# KiCad board tida_010057_imported.kicad_pcb (continued)
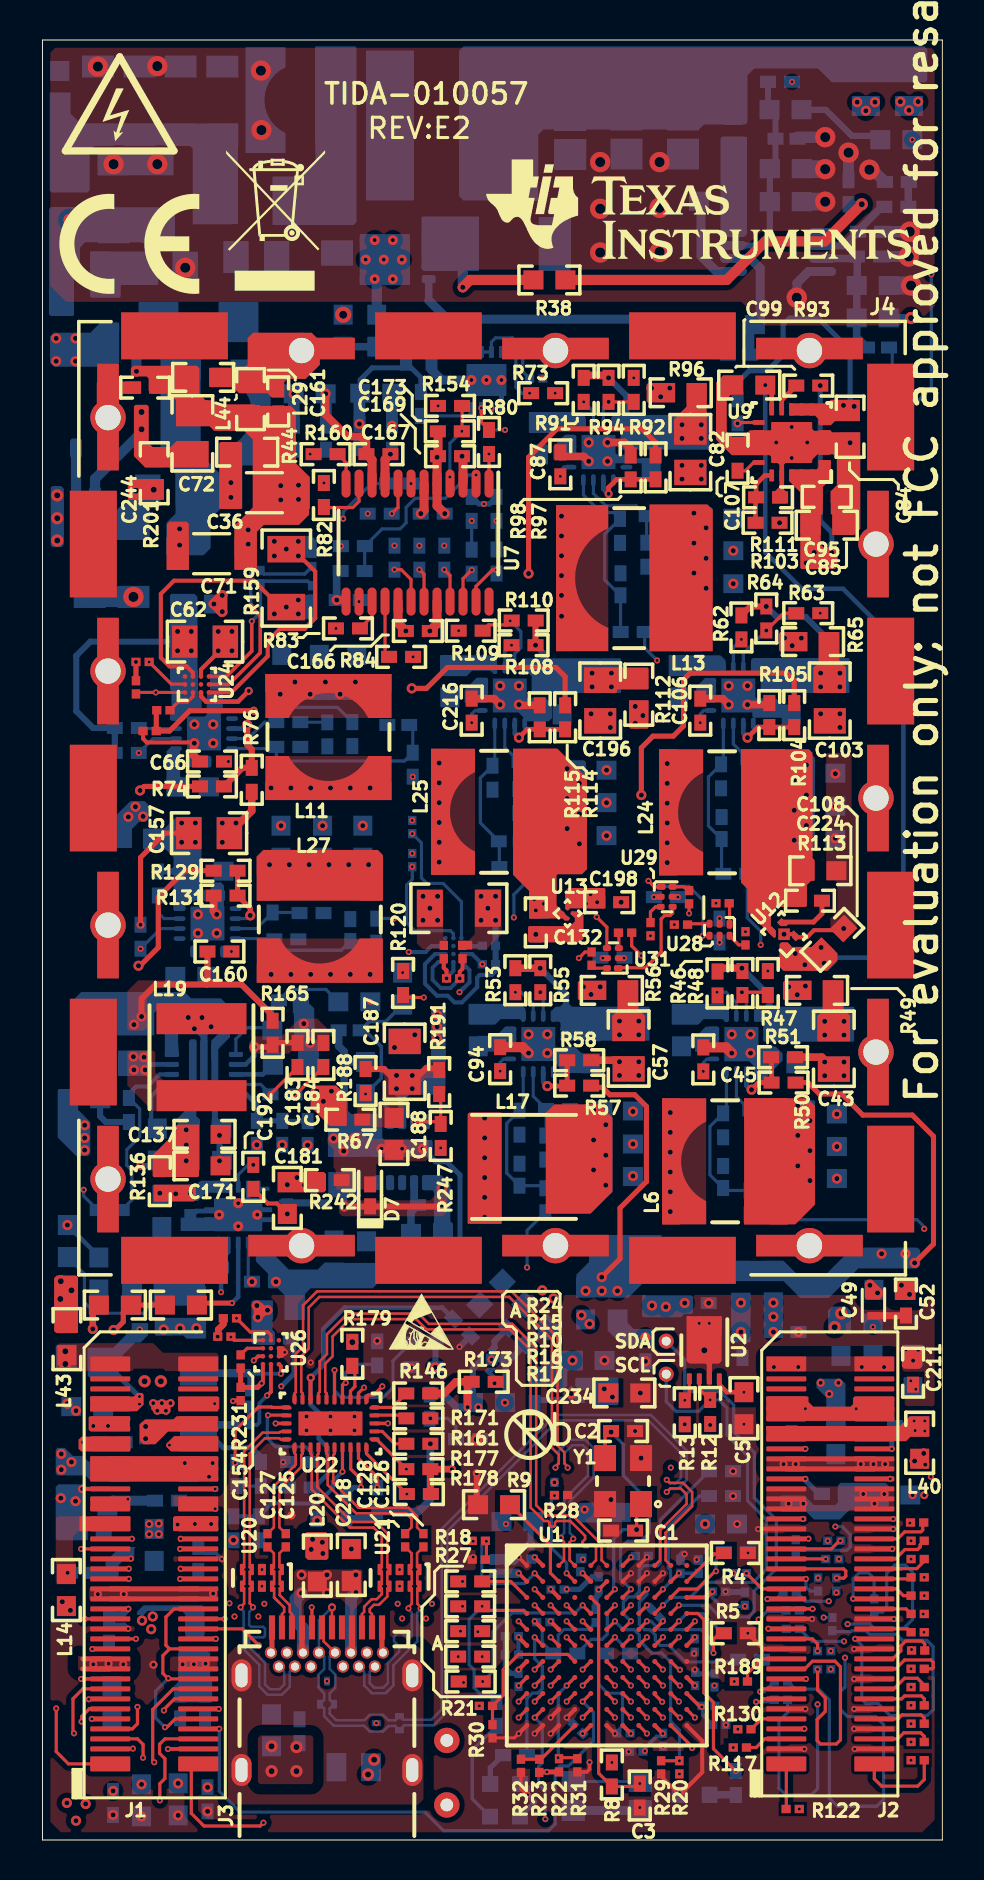
[diagram p0: board, top side]
## Placement (name value [footprint] x y rotation side) (continued)
R82  CRCW040218R0JNED  [0402]  14.07 67.25 270 top
R83  CRCW040218R0JNED  [0402]  15.28 60.58 0 top
R84  CRCW040218R0JNED  [0402]  17.93 59.16 180 top
R85  CRCW040218R0JNED  [0402]  16.87 66.32 0 bottom
R86  CRCW040218R0JNED  [0402]  17.83 67.82 0 bottom
R87  CRCW040218R0JNED  [0402]  17.6 64.12 270 bottom
R88  CRCW040218R0JNED  [0402]  18.85 64.12 270 bottom
R89  CRCW040218R0JNED  [0402]  20.09 64.12 270 bottom
R90  ERJ-2RKF2003X  [0402]  16.74 17.03 270 bottom
R91  CRCW0402100KJNED  [0402]  27.06 72.51 270 top
R92  ERJ-2GE0R00X  [0402]  29.57 72.51 270 top
R93  CRCW040244K2FKED  [0402]  38.29 72.72 0 top
R94  ERJ-2GE0R00X  [0402]  28.31 72.51 270 top
R95  ERJ-1GE0R00C  [0201]  29.13 45.36 180 top
R96  RMCF0603ZT0R00  [0603]  31.92 72.36 180 top
R97  ERJ-2RKF4991X  [0402]  30.66 68.63 90 top
R98  RK73H1ETTP1002F  [0402]  29.41 68.63 270 top
R99  ERJ-2GE0R00X  [0402]  34.76 71.43 90 bottom
R100  CRCW0402383KFKED  [0402]  28.88 65.46 270 bottom
R101  CRCW0402130RJNED  [0402]  30.81 66.19 180 bottom
R102  ERJ-1GE0R00C  [0201]  27.46 44.07 270 top
R103  RC0402FR-073K57L  [0402]  36.26 65.86 0 top
R104  ERJ-2RKF4991X  [0402]  37.59 56.25 90 top
R105  RK73H1ETTP1002F  [0402]  36.35 56.25 270 top
R106  CRCW0402383KFKED  [0402]  33.93 53.19 270 bottom
R107  CRCW0402130RJNED  [0402]  35.89 54.05 180 bottom
R108  CRCW0402100KJNED  [0402]  24.05 59.74 180 top
R109  ERJ-2GE0R00X  [0402]  21.41 60.47 0 top
R110  ERJ-2GE0R00X  [0402]  24.06 60.97 180 top
R111  CRCW04022K87FKED  [0402]  36.28 67.13 180 top
R112  RMCF0603ZT0R00  [0603]  29.82 57.26 270 top
R113  ERJ-2GE0R00X  [0402]  38.38 46.96 180 top
R114  ERA-2AEB752X  [0402]  26.14 56.13 90 top
R115  RK73H1ETTP1002F  [0402]  24.87 56.13 270 top
R116  CRCW0402383KFKED  [0402]  22.5 53.11 270 bottom
R117  RC0201JR-0722RL  [0201]  34.87 4.62 0 top
R118  CRCW0402150RJNED  [0402]  24.45 53.9 180 bottom
R119  CRCW0402383KFKED  [0402]  12.29 54.65 0 bottom
R120  ERJ-2GE0R00X  [0402]  18.03 42.85 270 top
R121  CRCW0402130RJNED  [0402]  12.29 55.89 180 bottom
R122  RC0201JR-0722RL  [0201]  37.52 1.55 180 top
R123  CRCW040222R0JNED  [0402]  42.49 72.59 90 bottom
R124  CRCW0402100KJNED  [0402]  4.9 45.16 270 bottom
R125  RC0201JR-0722RL  [0201]  43.79 9.47 0 top
R126  -  [5106]  15.54 3.64 0 bottom
R127  ERJ-2GE0R00X  [0402]  5.77 47.83 270 bottom
R128  RMCF0603ZT0R00  [0603]  4.72 50.09 180 bottom
R129  ERJ-2RKF4991X  [0402]  9.15 48.46 180 top
R130  RC0201JR-0722RL  [0201]  35.1 5.54 0 top
R131  RK73H1ETTP1002F  [0402]  9.15 47.22 0 top
R132  CRCW0402383KFKED  [0402]  12.19 45.03 0 bottom
R133  CRCW0402130RJNED  [0402]  11.51 46.98 270 bottom
R134  RMCF0603ZT0R00  [0603]  2.08 37.06 180 bottom
R135  ERJ-2GE0R00X  [0402]  4.32 36.5 270 bottom
R136  ERJ-2GE0R00X  [0402]  5.87 32.94 270 top
R137  RT0603BRD0710KL  [0603]  2.82 28.32 270 bottom
R138  CRCW0402301KFKED  [0402]  13.26 35.34 270 bottom
R139  RT0603DRE07344KL  [0603]  12.29 40.49 0 bottom
R140  CRCW060332K4FKEA  [0603]  1.24 29.95 270 bottom
R141  CPF0603B620KE  [CPF0603]  12.42 38.81 180 bottom
R142  ERA-2AEB8662X  [0402]  10.72 35.36 90 bottom
R144  CRCW02014K70FKED  [0201_033]  13.49 62.38 270 bottom
R145  CRCW02014K70FKED  [0201_033]  13.49 64.01 90 bottom
R146  ERJ-2GE0R00X  [0402]  18.79 22.33 0 top
R147  ERJ-2GE0R00X  [0402]  10.92 18.3 90 bottom
R148  ERJ-2RKF2003X  [0402]  12.87 17.63 180 bottom
R149  RC0201JR-0722RL  [0201]  39.09 8.53 180 bottom
R150  RC0201JR-0722RL  [0201]  36.93 7.92 180 bottom
R151  CRCW02014K70FKED  [0201_033]  21.01 44.4 90 top
R152  CSR1206FK20L0  [1206]  20.82 46.59 180 top
R153  ERJ-2RKF2003X  [0402]  15.49 24.31 90 bottom
R154  ERJ-2GE0R00X  [0402]  20.38 71.7 0 top
R155  RC0201JR-0722RL  [0201]  36.93 7.01 180 bottom
R156  RC0201JR-0722RL  [0201]  39.09 9.45 180 bottom
R157  ERJ-2GE0R00X  [0402]  21.46 63.92 270 bottom
R158  ERJ-2GE0R00X  [0402]  22.71 63.93 270 bottom
R159  CSR1206FK20L0  [1206]  12.19 63.1 90 top
R160  CRCW040218R0JNED  [0402]  14.16 69.29 0 top
R161  ERJ-2RKF2003X  [0402]  18.8 19.81 180 top
R162  ERJ-2RKF1002X  [0402]  21.28 20.04 0 bottom
R163  RT0603BRD0710KL  [0603]  6.92 26.75 180 top
R164  CRCW04025K11FKED  [0402]  12 37.29 180 bottom
R165  ERJ-2GE0R00X  [0402]  11.51 40.36 270 top
R166  CSR1206FK20L0  [1206]  7.8 21.92 90 bottom
R167  ERJ-1GE0R00C  [0201]  34.01 46.84 0 top
R168  CRCW0402909KFKED  [0402]  19.05 24.88 0 bottom
R169  RC0201JR-0722RL  [0201]  43.76 4.9 0 top
R170  ERJ-2RKF4701X  [0402]  12.88 18.9 0 bottom
R171  ERJ-2GE0R00X  [0402]  18.8 21.08 180 top
R172  ERJ-1GE0R00C  [0201]  31.93 45.77 0 top
R173  ERJ-2GE0R00X  [0402]  22.06 22.91 180 top
R174  ERJ-2RKF2003X  [0402]  9.7 18.3 90 bottom
R175  ERJ-1GE0R00C  [0201]  35.15 45.09 270 top
R176  ERJ-2RKF4701X  [0402]  16.74 24.33 90 bottom
R177  ERJ-2RKF4701X  [0402]  18.8 18.54 180 top
R178  ERJ-2RKF4701X  [0402]  18.82 17.3 180 top
R179  CRCW040210K0FKED  [0402]  15.49 24.31 270 top
R180  ERJ-2GE0R00X  [0402]  9.55 15.59 270 bottom
R181  ERJ-2GE0R00X  [0402]  19.84 38.71 270 bottom
R182  ERJ-2RKF4701X  [0402]  10.82 15.59 270 bottom
R183  CRCW02014K70FKED  [0201_033]  20.07 44.4 90 top
R184  ERJ-1GN0R00C  [0201]  22.33 44.7 0 bottom
R185  RC0201FS-7D10KL  [0201]  4.67 57.63 90 top
R186  RC0201FS-7D10KL  [0201]  5 58.9 180 top
R187  ERJ-1GE0R00C  [0201]  30.4 45.54 90 top
R188  ERJ-2GE0R00X  [0402]  16.15 37.95 90 top
R189  RC0201JR-0722RL  [0201]  34.93 7.92 0 top
R190  RG1608P-1023-B-T5  [0603]  19.23 30.33 0 bottom
R191  ERJ-2GE0R00X  [0402]  19.84 37.9 270 top
R192  RC0201JR-0722RL  [0201]  43.76 3.99 0 top
R193  RC0201JR-0722RL  [0201]  43.76 6.73 0 top
R194  RC0201JR-0722RL  [0201]  43.76 5.82 0 top
R195  CRCW060342K2FKEA  [0603]  3.62 26.75 0 top
R196  RC0201JR-0722RL  [0201]  43.76 7.65 0 top
R197  RC0201JR-0722RL  [0201]  43.76 8.56 0 top
R198  RC0201JR-0722RL  [0201]  37.53 10.56 180 bottom
R199  RC0201JR-0722RL  [0201]  43.74 15.88 0 top
R200  RT0603BRD0710KL  [0603]  2.11 78.94 0 bottom
R201  RT0603BRD0710KL  [0603]  5.59 68.34 90 top
R216  RC0201JR-0722RL  [0201]  43.76 12.22 180 top
R217  RC0201JR-0722RL  [0201]  41.6 11.73 90 bottom
R218  RC0201JR-0722RL  [0201]  43.76 13.13 180 top
R219  RC0201JR-0722RL  [0201]  43.76 14.05 0 top
R220  RC0201JR-0722RL  [0201]  34.87 13.34 0 bottom
R221  RC0201JR-0722RL  [0201]  43.76 14.96 0 top
R222  RC0201JR-0722RL  [0201]  39.5 14.05 180 bottom
R223  RC0201JR-0722RL  [0201]  38.79 12.78 270 bottom
R224  RC0201JR-0722RL  [0201]  37.36 12.4 180 bottom
R225  RC0201JR-0722RL  [0201]  39.6 14.96 0 bottom
R226  RC0201JR-0722RL  [0201]  39.7 12.78 90 bottom
R227  RC0201JR-0722RL  [0201]  43.76 11.3 180 top
R228  RC0201JR-0722RL  [0201]  37.52 11.48 0 bottom
R229  CRCW02014K70FKED  [0201_033]  9.98 20.75 180 bottom
R230  CRCW02014K70FKED  [0201_033]  9.88 23.34 180 bottom
R231  ERJ-1GN0R00C  [0201]  9.91 23.93 270 top
R232  RC0201FS-7D10KL  [0201]  18.49 49 90 bottom
R233  RC0201FS-7D10KL  [0201]  18.49 50.65 90 bottom
R234  ERJ-1GE0R00C  [0201]  32.33 47.14 90 top
R235  ERJ-1GN0R00C  [0201]  6.05 56.49 180 top
R236  RC0201FS-7D10KL  [0201]  9.37 26.09 180 top
R237  RC0201FS-7D10KL  [0201]  9.09 25.17 180 top
R238  ERJ-2RKF2003X  [0402]  15.2 16.66 90 bottom
R239  ERA-3AEB2552V  [0603]  19.24 28.75 180 bottom
R240  RC0201JR-0722RL  [0201]  37.67 14.68 90 bottom
R241  ERJ-3EKF1001V  [0603]  16.15 38.1 270 bottom
R242  ERJ-2GE0R00X  [0402]  14.37 32.99 180 top
R243  RC0201JR-0722RL  [0201]  39.5 10.8 270 bottom
R244  RC0201JR-0722RL  [0201]  43.76 10.39 180 top
R245  ERJ-2GE0R00X  [0402]  36.88 87.91 180 bottom
R246  ERJ-2GE0R00X  [0402]  3.36 31.5 180 bottom
R247  ERJ-2GE0R00X  [0402]  19.91 35.2 270 top
S1  434153017835  [SW_434153017835]  28.22 2.2 0 bottom
SCL  TESTPOINT  [TP_H045P075]  31.19 23.29 90 top
SDA  TESTPOINT  [TP_H045P075]  31.19 24.94 90 top
U1  CYUSB3014-BZXC  [BZ-121]  28.22 9.73 0 top
U2  AT24C512C-MAHM  [8MA2]  33.1 24.49 270 top
U3  LM3488MMX/NOPB  [DGK0008A_N]  36.78 79.4 180 bottom
U4  TPS54218RTER  [RTE0016F]  34.95 39.8 180 bottom
U5  TPS54218RTER  [RTE0016F]  24.79 39.8 180 bottom
U6  TPS54218RTER  [RTE0016F]  8.08 55.32 270 bottom
U7  CDCE949PWR  [PW0024A_N]  18.75 64.87 270 top
U8  TPS61178RNWR  [RNW0013A]  8.07 38.28 180 bottom
U9  TPS74201RGRT  [RGR0020A]  37.47 69.88 180 top
U10  TPS54218RTER  [RTE0016F]  27.8 69.39 180 bottom
U11  TPS54218RTER  [RTE0016F]  34.8 57.23 180 bottom
U12  LP5907SNX-3.3/NOPB  [DQN0004A]  37.08 45.29 135 top
U13  LP5910-1.2YKAR  [YKA0004ACAC]  26.26 46.33 45 top
U14  TPS54218RTER  [RTE0016F]  23.37 57.23 180 bottom
U15  TPS7A3901DSCR  [DSC0010J]  9.79 31.26 270 bottom
U16  LMZM23601SILR  [SIL0010A]  17.98 34.39 270 bottom
U17  LP5907SNX-1.8/NOPB  [DQN0004A#2]  26.44 22.33 180 bottom
U18  TPD2EUSB30DRTR  [DRT0003A]  14.22 7.37 90 bottom
U19  TPD2EUSB30DRTR  [DRT0003A]  17.27 5.84 180 bottom
U20  TPD4E05U06DQAR  [DQA0010A]  10.97 13.11 270 top
U21  TPD4E05U06DQAR  [DQA0010A]  17.86 13.11 270 top
U22  HD3SS3220IRNHR  [RNH0030A]  14.4 20.83 270 top
U23  LP5907SNX-3.3/NOPB  [DQN0004A]  22.45 24.03 225 bottom
U24  INA231AIYFFR  [YFF0012AKAD]  7.72 57.78 90 top
U25  INA231AIYFFR  [YFF0012AKAD]  20.55 44.5 180 bottom
U26  INA231AIYFFR  [YFF0012AKAD]  11.42 24.39 0 top
U27  LMV112SD/NOPB  [NGQ0008A]  22.2 73 270 bottom
U28  SN74LVC1G11DRYR  [DRY0006A]  33.86 45.51 270 top
U29  SN74LVC1G11DRYR  [DRY0006A]  31.21 47.16 0 top
U30  TPS54218RTER  [RTE0016F]  8.26 45.82 270 bottom
U31  SN74LVC1G11DRYR  [DRY0006A]  28.52 44.09 180 top
VBUS  TESTPOINT  [TP_50MIL-25MILHOLE]  20.22 1.75 90 top
Y1  ECS-192-18-33-JEM-TR  [ECS_ECX-32]  29.03 17.95 180 top
ZZ1  This Assembly Note is for PCB labels only  [AssemblyNoteLabel]  6.73 128.04 0 top
ZZ2  These assemblies are ESD sensitive, ESD precautions shall be observed.  [AssemblyNote]  6.68 126.06 0 top
ZZ3  These assemblies must be clean and free from flux and all contaminants. Use of no clean flux is not acceptable.  [AssemblyNote]  6.68 123.81 0 top
ZZ4  These assemblies must comply with workmanship standards IPC-A-610 Class 2, unless otherwise specified.  [AssemblyNote]  6.68 121.56 0 top

## Footprints (pads in the part's own frame, mm; a bottom-side part is the same pattern mirrored in y, then rotated)
8MA2
  rrect 0.55x0.25 smd: 1(-1.425,0.75) 2(-1.425,0.25) 3(-1.425,-0.25) 4(-1.425,-0.75) 5(1.425,-0.75) 6(1.425,-0.25) 7(1.425,0.25) 8(1.425,0.75)
  rrect 1.3x1.5 smd: 9(0,0)
0201
  rect 0.46x0.42 smd: 1(-0.33,0) 2(0.33,0)
0201_033
  rect 0.46x0.42 smd: 1(-0.33,0) 2(0.33,0)
0402
  rect 0.8x0.6 smd: 1(-0.6,0) 2(0.6,0)
0402_065
  rect 0.8x0.6 smd: 1(-0.6,0) 2(0.6,0)
0402_070
  rect 0.381x0.61 smd: 1(-0.508,0) 2(0.508,0)
0603
  rect 1x0.95 smd: 1(-0.8,0) 2(0.8,0)
0805_HV
  rect 1.27x1.6 smd: 1(-1.016,0) 2(1.016,0)
0805M
  rect 1.55x1.6 smd: 1(-0.975,0) 2(0.975,0)
1206
  rect 1.3x1.85 smd: 1(-1.45,0) 2(1.45,0)
1206_180
  rect 1.1x1.6 smd: 1(-1.7,0) 2(1.7,0)
2010
  rect 1.6x2.7 smd: 1(-2.3,0) 2(2.3,0)
5106
  rect 0.99x1.4 smd: 1(-0.85,0) 2(0.88,0)
BZ-121
  round 0.25 smd: A1(-4,4) A2(-3.2,4) A3(-2.4,4) A4(-1.6,4) A5(-0.8,4) A6(0,4) A7(0.8,4) A8(1.6,4) A9(2.4,4) A10(3.2,4) A11(4,4) B1(-4,3.2) B2(-3.2,3.2) B3(-2.4,3.2) B4(-1.6,3.2) B5(-0.8,3.2) B6(0,3.2) B7(0.8,3.2) B8(1.6,3.2) B9(2.4,3.2) B10(3.2,3.2) B11(4,3.2) C1(-4,2.4) C2(-3.2,2.4) C3(-2.4,2.4) C4(-1.6,2.4) C5(-0.8,2.4) C6(0,2.4) C7(0.8,2.4) C8(1.6,2.4) C9(2.4,2.4) C10(3.2,2.4) C11(4,2.4) D1(-4,1.6) D2(-3.2,1.6) D3(-2.4,1.6) D4(-1.6,1.6) D5(-0.8,1.6) D6(0,1.6) D7(0.8,1.6) D8(1.6,1.6) D9(2.4,1.6) D10(3.2,1.6) D11(4,1.6) E1(-4,0.8) E2(-3.2,0.8) E3(-2.4,0.8) E4(-1.6,0.8) E5(-0.8,0.8) E6(0,0.8) E7(0.8,0.8) E8(1.6,0.8) E9(2.4,0.8) E10(3.2,0.8) E11(4,0.8) F1(-4,0) F2(-3.2,0) F3(-2.4,0) F4(-1.6,0) F5(-0.8,0) F6(0,0) F7(0.8,0) F8(1.6,0) F9(2.4,0) F10(3.2,0) F11(4,0) G1(-4,-0.8) G2(-3.2,-0.8) G3(-2.4,-0.8) G4(-1.6,-0.8) G5(-0.8,-0.8) G6(0,-0.8) G7(0.8,-0.8) G8(1.6,-0.8) G9(2.4,-0.8) G10(3.2,-0.8) G11(4,-0.8) H1(-4,-1.6) H2(-3.2,-1.6) H3(-2.4,-1.6) H4(-1.6,-1.6) H5(-0.8,-1.6) H6(0,-1.6) H7(0.8,-1.6) H8(1.6,-1.6) H9(2.4,-1.6) H10(3.2,-1.6) H11(4,-1.6) J1(-4,-2.4) J2(-3.2,-2.4) J3(-2.4,-2.4) J4(-1.6,-2.4) J5(-0.8,-2.4) J6(0,-2.4) J7(0.8,-2.4) J8(1.6,-2.4) J9(2.4,-2.4) J10(3.2,-2.4) J11(4,-2.4) K1(-4,-3.2) K2(-3.2,-3.2) K3(-2.4,-3.2) K4(-1.6,-3.2) K5(-0.8,-3.2) K6(0,-3.2) K7(0.8,-3.2) K8(1.6,-3.2) K9(2.4,-3.2) K10(3.2,-3.2) K11(4,-3.2) L1(-4,-4) L2(-3.2,-4) L3(-2.4,-4) L4(-1.6,-4) L5(-0.8,-4) L6(0,-4) L7(0.8,-4) L8(1.6,-4) L9(2.4,-4) L10(3.2,-4) L11(4,-4)
CPF0603
  rect 1x1.1 smd: 1(-0.9,0) 2(0.9,0)
DGK0008A_N
  oval 1.35x0.45 smd: 1(-2.225,0.975) 2(-2.225,0.325) 3(-2.225,-0.325) 4(-2.225,-0.975) 5(2.225,-0.975) 6(2.225,-0.325) 7(2.225,0.325) 8(2.225,0.975)
DNH0008A
  rrect 0.7x0.4 smd: 1(-1.55,0.975) 2(-1.55,0.325) 3(-1.55,-0.325) 4(-1.55,-0.975) 5(1.55,-0.975) 6(1.55,-0.325) 7(1.55,0.325) 8(1.55,0.975)
  rrect 2.51x2.55 smd: 9(0.645,0)
DQA0010A
  rrect 0.565x0.2 smd: 1(-0.417,1) 2(-0.417,0.5) 4(-0.417,-0.5) 5(-0.417,-1) 6(0.417,-1) 7(0.417,-0.5) 9(0.417,0.5) 10(0.417,1)
  rrect 0.565x0.4 smd: 3(-0.417,0) 8(0.417,0)
DQN0004A
  custom 0.544x0.396 smd rot 45: (-0.66,0.48) (0.66,-0.48)
  custom 0.396x0.544 smd rot 45: (-0.66,-0.48) (0.66,0.48)
  rect 0.25x0.31 smd: 1(-0.535,0.325) 2(-0.535,-0.325) 3(0.535,-0.325) 4(0.535,0.325)
  rect 0.58x0.58 smd rot 45: 5(0,0)
DQN0004A#2
  custom 0.46x0.31 smd: (-0.66,-0.48) (-0.66,0.48) (0.66,-0.48) (0.66,0.48)
  rect 0.25x0.31 smd: 1(-0.535,0.325) 2(-0.535,-0.325) 3(0.535,-0.325) 4(0.535,0.325)
  rect 0.58x0.58 smd rot 135: 5(0,0)
DRT0003A
  rect 0.45x0.3 smd: 1(-0.575,0.35) 2(-0.575,-0.35) 3(0.575,0)
DRY0006A
  rrect 0.45x0.3 smd: 1(-0.275,0.5)
  rrect 0.4x0.3 smd: 2(-0.3,0) 3(-0.3,-0.5) 4(0.3,-0.5) 5(0.3,0) 6(0.3,0.5)
DSC0010J
  custom 1.65x3.4 smd: (-0.325,-1.7)
  rrect 0.6x0.24 smd: 1(-1.4,1) 2(-1.4,0.5) 3(-1.4,0) 4(-1.4,-0.5) 5(-1.4,-1) 6(1.4,-1) 7(1.4,-0.5) 8(1.4,0) 9(1.4,0.5) 10(1.4,1)
  rrect 1.65x2.4 smd: 11(0,0)
ECS_ECX-32
  rect 1.1x1.3 smd: 1(-0.9,1.15) 2(-0.9,-1.15) 3(0.9,-1.15) 4(0.9,1.15)
HSMx-C190_Amber
  rect 0.8x0.8 smd: 1(-0.75,0) 2(0.75,0)
NGQ0008A
  rrect 0.6x0.25 smd: 1(-1.4,0.75) 2(-1.4,0.25) 3(-1.4,-0.25) 4(-1.4,-0.75) 5(1.4,-0.75) 6(1.4,-0.25) 7(1.4,0.25) 8(1.4,0.75)
  rrect 1.6x2 smd: 9(0,0)
Panasonic_AXK5S80347Y
  rrect 0.75x2 smd: 1(-10,2.2) 2(-10,-2.2) 79(10,2.2) 80(10,-2.2)
  rrect 0.25x2 smd: 3(-9.25,2.2) 4(-9.25,-2.2) 5(-8.75,2.2) 6(-8.75,-2.2) 7(-8.25,2.2) 8(-8.25,-2.2) 9(-7.75,2.2) 10(-7.75,-2.2) 11(-7.25,2.2) 12(-7.25,-2.2) 13(-6.75,2.2) 14(-6.75,-2.2) 15(-6.25,2.2) 16(-6.25,-2.2) 17(-5.75,2.2) 18(-5.75,-2.2) 19(-5.25,2.2) 20(-5.25,-2.2) 21(-4.75,2.2) 22(-4.75,-2.2) 23(-4.25,2.2) 24(-4.25,-2.2) 25(-3.75,2.2) 26(-3.75,-2.2) 27(-3.25,2.2) 28(-3.25,-2.2) 29(-2.75,2.2) 30(-2.75,-2.2) 31(-2.25,2.2) 32(-2.25,-2.2) 33(-1.75,2.2) 34(-1.75,-2.2) 35(-1.25,2.2) 36(-1.25,-2.2) 37(-0.75,2.2) 38(-0.75,-2.2) 39(-0.25,2.2) 40(-0.25,-2.2) 41(0.25,2.2) 42(0.25,-2.2) 43(0.75,2.2) 44(0.75,-2.2) 45(1.25,2.2) 46(1.25,-2.2) 47(1.75,2.2) 48(1.75,-2.2) 49(2.25,2.2) 50(2.25,-2.2) 51(2.75,2.2) 52(2.75,-2.2) 53(3.25,2.2) 54(3.25,-2.2) 55(3.75,2.2) 56(3.75,-2.2) 57(4.25,2.2) 58(4.25,-2.2) 59(4.75,2.2) 60(4.75,-2.2) 61(5.25,2.2) 62(5.25,-2.2) 63(5.75,2.2) 64(5.75,-2.2) 65(6.25,2.2) 66(6.25,-2.2) 67(6.75,2.2) 68(6.75,-2.2) 69(7.25,2.2) 70(7.25,-2.2) 71(7.75,2.2) 72(7.75,-2.2) 73(8.25,2.2) 74(8.25,-2.2) 75(8.75,2.2) 76(8.75,-2.2) 77(9.25,2.2) 78(9.25,-2.2)
PW0024A_N
  oval 1.4x0.45 smd: 1(-2.95,3.575) 2(-2.95,2.925) 3(-2.95,2.275) 4(-2.95,1.625) 5(-2.95,0.975) 6(-2.95,0.325) 7(-2.95,-0.325) 8(-2.95,-0.975) 9(-2.95,-1.625) 10(-2.95,-2.275) 11(-2.95,-2.925) 12(-2.95,-3.575) 13(2.95,-3.575) 14(2.95,-2.925) 15(2.95,-2.275) 16(2.95,-1.625) 17(2.95,-0.975) 18(2.95,-0.325) 19(2.95,0.325) 20(2.95,0.975) 21(2.95,1.625) 22(2.95,2.275) 23(2.95,2.925) 24(2.95,3.575)
RGR0020A
  rrect 0.6x0.24 smd: 1(-1.65,1) 2(-1.65,0.5) 3(-1.65,0) 4(-1.65,-0.5) 5(-1.65,-1) 11(1.65,-1) 12(1.65,-0.5) 13(1.65,0) 14(1.65,0.5) 15(1.65,1)
  rrect 0.24x0.6 smd: 6(-1,-1.65) 7(-0.5,-1.65) 8(0,-1.65) 9(0.5,-1.65) 10(1,-1.65) 16(1,1.65) 17(0.5,1.65) 18(0,1.65) 19(-0.5,1.65) 20(-1,1.65)
  rrect 2.05x2.05 smd: 21(0,0)
RNH0030A
  custom 0.5x0.2 smd: (-0.965,1.823) (-0.965,-1.823) (0.965,1.823) (0.965,-1.823)
  custom 0.2x0.5 smd: (-0.7,2.4) (-0.7,-2.4) (0.7,2.4) (0.7,-2.4)
  rrect 0.3x0.2 smd: 1(-1.2,1.8) 10(-1.2,-1.8) 16(1.2,-1.8) 25(1.2,1.8)
  rrect 0.5x0.2 smd: 2(-1.2,1.4) 3(-1.2,1) 4(-1.2,0.6) 5(-1.2,0.2) 6(-1.2,-0.2) 7(-1.2,-0.6) 8(-1.2,-1) 9(-1.2,-1.4) 17(1.2,-1.4) 18(1.2,-1) 19(1.2,-0.6) 20(1.2,-0.2) 21(1.2,0.2) 22(1.2,0.6) 23(1.2,1) 24(1.2,1.4)
  rrect 0.2x0.3 smd: 11(-0.8,-2.2) 15(0.8,-2.2) 26(0.8,2.2) 30(-0.8,2.2)
  rrect 0.2x0.5 smd: 12(-0.4,-2.2) 13(0,-2.2) 14(0.4,-2.2) 27(0.4,2.2) 28(0,2.2) 29(-0.4,2.2)
  rrect 1.2x3.2 smd: 31(0,0)
RNW0013A
  rrect 0.7x0.25 smd: 1(-1.6,1) 2(-1.6,0.5) 3(-1.6,0) 4(-1.6,-0.5) 5(-1.6,-1) 9(1.6,-1) 10(1.6,-0.5) 11(1.6,0) 12(1.6,0.5) 13(1.6,1)
  rrect 0.35x3.5 smd: 6(-0.55,0) 7(0,0) 8(0.55,0)
RTE0016F
  oval 0.6x0.24 smd: 1(-1.4,0.75) 2(-1.4,0.25) 3(-1.4,-0.25) 4(-1.4,-0.75) 9(1.4,-0.75) 10(1.4,-0.25) 11(1.4,0.25) 12(1.4,0.75)
  oval 0.24x0.6 smd: 5(-0.75,-1.4) 6(-0.25,-1.4) 7(0.25,-1.4) 8(0.75,-1.4) 13(0.75,1.4) 14(0.25,1.4) 15(-0.25,1.4) 16(-0.75,1.4)
  rect 1.7x1.7 smd: 17(0,0)
SHIELD_CBS1P50X1P75
  rect 2.351x5.334 smd: (-23.112,15.875) (-23.112,3.175) (-23.112,-9.525) (23.111,-9.525) (23.111,15.875) (23.111,3.175)
  rect 5.334x2.351 smd: (-19.05,-19.937) (-12.7,19.937) (-6.35,-19.937) (0,19.937) (6.35,-19.937) (12.7,19.937) (19.05,-19.937)
  round 1.77 hole 1.27: SH1(-19.05,19.202) SH2(-6.35,19.202) SH3(6.35,19.202) SH4(19.025,19.202) SH5(-22.377,9.525) SH6(-22.377,-3.175) SH7(-22.377,-15.875) SH8(-12.7,-19.202) SH9(0,-19.202) SH10(12.7,-19.202) SH11(22.377,-15.875) SH12(22.377,-3.175) SH13(22.377,9.525)
SIL0010A
  rrect 0.75x0.4 smd: 1(-1.525,1.2) 2(-1.525,0.6) 3(-1.525,0) 4(-1.525,-0.6) 5(-1.525,-1.2) 6(1.525,-1.2) 7(1.525,-0.6) 8(1.525,0) 9(1.525,0.6) 10(1.525,1.2)
  rrect 0.8x3 smd: 11(-0.175,0)
SMA
  rect 2x2 smd: 1(-2,0) 2(2,0)
SOD-523
  rect 0.8x0.6 smd: 1(-0.55,0) 2(0.55,0)
SOT-23
  rrect 1x0.6 smd: 1(-1.2,0.95) 2(-1.2,-0.95) 3(1.2,0)
SW_434153017835
  rect 1.15x1.05 smd: 1(-1.675,0.725) 2(-1.675,-0.725) 3(1.675,0.725) 4(1.675,-0.725)
TP_50MIL-25MILHOLE
  round 1.27 hole 0.635: 1(0,0)
TP_H045P075
  round 0.75 hole 0.45: 1(0,0)
WE-LQS_5040
  rect 1.55x4.5 smd: 1(-1.925,0) 2(1.925,0)
WE-LQS_8040
  rrect 2.4x7.5 smd: 1(-3.1,0) 2(3.1,0)
WE-TPC_4828
  custom 2x5.3 smd: (-0.75,1.64) (0.75,1.64)
  rect 0.5x0.5 smd: 1(-2.35,0) 2(2.325,0)
WE-TPC_5828
  custom 6.3x2.2 smd: (-3.15,0.95) (3.15,-0.95)
  rect 6.3x0.9 smd: 1(0,2.7) 2(0,-2.7)
WE-TPC_6823
  custom 7.3x2.6 smd: (-3.65,1.05) (3.65,-1.05)
  rect 7.3x0.9 smd: 1(0,3.2) 2(0,-3.2)
Wurth_632_723_300_011
  rect 0.3x1.2 smd: A1(-2.75,10.58) A2(-2.25,10.58) A3(-1.75,10.58) A4(-1.25,10.58) A5(-0.75,10.58) A6(-0.25,10.58) A7(0.25,10.58) A8(0.75,10.58) A9(1.25,10.58) A10(1.75,10.58) A11(2.25,10.58) A12(2.75,10.58)
  round 0.605 hole 0.4: B1(2.8,9.32) B2(2.4,8.62) B3(1.6,8.62) B4(1.2,9.32) B5(0.8,8.62) B6(0.4,9.32) B7(-0.4,9.32) B8(-0.8,8.62) B9(-1.2,9.32) B10(-1.6,8.62) B11(-2.4,8.62) B12(-2.8,9.32) M1(2,9.32) M2(-2,9.32)
  rrect 1x1.6 hole 0.6x1.2: S1(-4.27,8.18) S2(-4.27,3.45) S3(4.27,3.45) S4(4.27,8.18)
YFF0012AKAD
  round 0.23 smd: A1(-0.4,0.6) A2(0,0.6) A3(0.4,0.6) B1(-0.4,0.2) B2(0,0.2) B3(0.4,0.2) C1(-0.4,-0.2) C2(0,-0.2) C3(0.4,-0.2) D1(-0.4,-0.6) D2(0,-0.6) D3(0.4,-0.6)
YKA0004ACAC
  round 0.2 smd: A1(-0.175,0.175) A2(0.175,0.175) B1(-0.175,-0.175) B2(0.175,-0.175)

## Nets
1.8V_AVDD: C92.2 J2.51 J2.52 J2.53 J2.54 J2.55 J2.56 L15.2
1.8V_AVDD_VCA: C93.2 J2.59 J2.60 J2.61 J2.62 L16.2
1V2_DVDD: C112.2 J1.19 J1.21 L41.1
1V8_AVDD_IO_TX: C151.2 J1.68 J1.70 L26.1
1V8_DVDD: C91.2 J1.47 J1.49 L14.2
1V8_VDD_RX: C85.1 C95.2 L14.1 L15.1 L16.1 L26.2 R93.2 R103.2 U9.1 U9.18 U9.19 U9.20
3.3V: C99.1 C108.1 C109.1 L40.1 U9.10 U12.1
3.3V_AVDD: C213.2 J2.65 J2.66 J2.67 J2.68 L40.2
AVSS: C29.2 C38.1 C92.1 C93.1 C151.1 C180.1 C185.2 C211.1 C212.1 C213.1 J1.55 J1.56 J1.63 J1.64 J1.65 J1.66 J1.71 J1.72 J1.73 J1.74 J2.49 J2.50 J2.57 J2.58 J2.63 J2.64 J2.69 J2.70 J2.71 J2.72 J2.73 J2.74 L36.2 L37.2
GND_A7: C119.2 C182.1 C183.2 C184.2 D17.2 R139.2 R141.1 R142.1 R165.2 U8.2
GND_SIG: C1.2 C2.2 C3.2 C4.2 C5.2 C6.2 C7.2 C8.2 C9.2 C10.2 C11.2 C12.2 C13.2 C14.2 C15.2 C16.2 C17.2 C18.2 C19.2 C20.1 C21.1 C40.1 C49.2 C52.1 C53.1 C55.1 C73.2 C74.1 C77.2 C91.1 C112.1 C115.2 C123.1 C133.2 C138.2 C139.1 C140.2 C141.2 C142.2 C143.2 C144.2 C145.2 C146.2 C147.2 C148.2 C149.2 C150.2 C152.2 C154.2 C162.1 C163.1 C164.2 C165.2 C166.2 C167.2 C168.2 C169.2 C170.2 C172.2 C173.2 C174.2 C204.2 C205.2 C209.1 C210.1 C211.2 C212.2 C234.2 C235.2 C236.2 C242.2 D1.2 D2.2 D9.2 J1.9 J1.17 J1.23 J1.27 J1.31 J1.37 J1.38 J1.41 J1.42 J1.45 J1.46 J1.51 J1.52 J1.53 J1.54 J2.3 J2.4 J2.7 J2.8 J2.11 J2.12 J2.17 J2.18 J2.23 J2.24 J2.29 J2.30 J2.44 J2.47 J2.48 L36.1 L37.1 L38.2 L39.2 R1.1 R2.1 R3.1 R4.1 R5.1 R6.1 R7.2 R9.1 R11.1 R27.1 R28.1 R29.1 R30.1 R31.1 R32.1 R162.2 R170.1 R176.2 R182.2 S1.1 S1.3 U1.A1 U1.A8 U1.B7 U1.B8 U1.B9 U1.D8 U1.E2 U1.G1 U1.G11 U1.K3 U1.K4 U1.L1 U1.L2 U1.L3 U1.L6 U1.L11 U2.1 U2.2 U2.3 U2.4 U2.7 U2.9 U7.5 U7.9 U7.14 U7.20 U17.2 U17.5 U22.13 U22.28 U22.31 U25.B3 U25.C1 U26.B3 U26.C1 U26.C3 U27.5 U27.9 U28.2 U29.2 U31.2 Y1.2 Y1.4
PGND: C41.2 C43.2 C44.2 C45.2 C46.2 C47.2 C48.2 C50.2 C51.2 C56.2 C57.2 C58.2 C61.2 C62.2 C63.2 C64.2 C66.2 C67.2 C68.2 C75.2 C76.2 C81.2 C82.2 C83.2 C84.2 C85.2 C86.2 C87.2 C88.2 C89.2 C90.2 C94.2 C95.1 C96.2 C97.2 C98.2 C99.2 C100.2 C101.2 C103.2 C104.2 C105.2 C106.2 C107.2 C108.2 C109.2 C110.2 C111.2 C113.2 C114.2 C117.2 C118.2 C120.2 C121.2 C122.2 C124.1 C129.2 C131.2 C132.2 C134.2 C135.2 C137.2 C155.2 C157.2 C158.2 C159.2 C160.2 C161.1 C171.2 C175.2 C178.2 C181.2 C186.2 C187.2 C189.2 C191.2 C192.1 C193.2 C194.1 C195.1 C196.2 C197.2 C198.2 C199.2 C202.1 C203.2 C207.2 C209.2 C210.2 C215.2 C216.2 C217.2 C218.2 C219.2 C220.2 C221.2 C222.2 C223.2 C224.2 C225.2 C226.2 C227.2 C228.2 C229.2 C230.2 C231.2 C244.1 D7.1 D10.2 D11.2 D12.2 D13.2 D14.2 D15.2 D16.2 GND.1 J3.A1 J3.A12 J3.B1 J3.B12 J3.M1 J3.M2 J4.SH1 J4.SH2 J4.SH3 J4.SH4 J4.SH5 J4.SH6 J4.SH7 J4.SH8 J4.SH9 J4.SH10 J4.SH11 J4.SH12 J4.SH13 L21.2 L29.2 L38.1 L39.1 L44.2 R51.1 R58.1 R60.2 R61.2 R76.1 R98.1 R100.2 R105.1 R106.2 R111.1 R115.1 R116.2 R119.2 R126.1 R131.1 R132.2 R137.2 R165.1 R190.2 U4.3 U4.4 U4.5 U4.17 U5.3 U5.4 U5.5 U5.17 U6.3 U6.4 U6.5 U6.17 U8.6 U9.2 U9.3 U9.4 U9.12 U9.13 U9.14 U9.17 U9.21 U10.3 U10.4 U10.5 U10.17 U11.3 U11.4 U11.5 U11.17 U12.2 U12.5 U13.B2 U14.3 U14.4 U14.5 U14.17 U15.4 U15.11 U16.6 U18.3 U19.3 U20.3 U20.8 U21.3 U21.8 U23.2 U23.5 U24.C1 U24.C3 U30.3 U30.4 U30.5 U30.17
VBUS: C115.1 C130.1 C131.1 C152.1 C155.1 C204.1 C205.1 C242.1 R49.2 R65.2 R90.2 R96.2 R112.2 R144.2 R146.2 R147.2 R151.2 R152.1 R153.2 R159.1 R161.1 R166.1 R168.2 R173.2 R179.1 R180.2 R184.2 R229.2 R235.2 R238.1 U1.E11 U23.4 U24.B3 U25.C3 U28.5 U29.5 U31.5
VBUS_USB: C124.2 C154.1 L20.1 R166.2 R230.2 R231.2 U26.D1 VBUS.1
VCC_3.3V: C133.1 L22.2 R148.1 U22.8
VCC_3.3V_CDCE: C174.1 C202.2 C203.1 C236.1 L22.1 L33.1 R25.2 U17.4 U23.1
VCC_AUX_1V8: C73.1 C74.2 J1.20 J1.22 L12.2
VCC_FX3_AVDD: C49.1 C142.1 L8.2 U1.A7
VCC_FX3_CVDDQ: C143.1 C144.1 L23.2 R8.2 R18.2 R19.2 R20.2 U1.B6
VCC_FX3_DVDD: C6.1 C7.1 C8.1 C9.1 C10.1 C11.1 C12.1 C13.1 C40.2 C138.1 C139.2 C145.1 L7.2 U1.B10 U1.C3 U1.E9 U1.F11 U1.H1 U1.J11 U1.L5 U1.L7
VCC_FX3_RXVDDQ: C21.2 C53.2 C140.1 L10.2 U1.A2
VCC_FX3_TXVDDQ: C20.2 C52.2 C141.1 L9.2 U1.B5
VCC_FX3_VIO: C14.1 C15.1 C16.1 C17.1 C18.1 C19.1 C55.2 C146.1 C147.1 C148.1 C149.1 C150.1 L18.2 R15.2 R21.2 R22.2 R23.2 U1.B1 U1.C11 U1.E3 U1.F1 U1.H11 U1.L9
VCC_INT_1V: C163.2 J1.33 J1.34 J1.35 J1.36 L31.1
VCCO_2V5: C162.2 J1.48 J1.50 L30.1
VDD: C165.1 C169.1 C170.1 L32.2 R68.1 R70.2 R73.1 R77.2 R78.2 R79.2 U7.3 U7.13
VDD_FPGA: R56.2 R72.2 R128.2 R152.2 R183.2 U25.D1
VDD_OUT: C166.1 C167.1 C168.1 C172.1 L33.2 U7.6 U7.10 U7.17
VIN1+: C153.2 R230.1 U26.D3
VIN1-: C153.1 R229.1 U26.D2
VIN2+: C156.1 R144.1 U24.D3
VIN2-: C156.2 R145.1 U24.D2
VIN3+: C136.1 R151.1 U25.D3
VIN3-: C136.2 R183.1 U25.D2
ADDR: R180.1 R182.1 U22.22
ALTERNATE HV INPUT: C122.1 C178.1 R67.1 R71.1 R136.2 U15.1 U15.2
CC1: J3.A5 U22.2
CC2: J3.B5 U22.1
CDCE_S0: R81.1 U1.D2
CDCE_VCTRL: R154.1 U1.D4
CLKIN_FX3: J1.30 R10.1
DC_DC_CLK1: C78.2 J1.43 R75.2 R120.2
DIR: R147.1 R148.2 R174.1
DM: J3.A7 J3.B7 U1.A10 U18.2 U19.2
DP: J3.A6 J3.B6 U1.A9 U18.1 U19.1
FPGA_PG_1V: R95.1 R124.2 U30.14
FPGA_PG_2V5: R66.2 R234.1 U6.14
FX3_A0: J1.7 U1.H5
FX3_A1: J1.8 U1.J5
FX3_CLK: J2.46 R199.2
FX3_CTL15: J1.6 U1.L8
FX3_D0: J2.1 R122.2
FX3_D1: J2.2 R192.2
FX3_D2: J2.5 R117.2
FX3_D3: J2.6 R169.2
FX3_D4: J2.9 R130.2
FX3_D5: J2.10 R194.2
FX3_D6: J2.13 R155.2
FX3_D7: J2.14 R193.2
FX3_D8: J2.15 R150.2
FX3_D9: J2.16 R196.2
FX3_D10: J2.19 R149.2
FX3_D11: J2.20 R197.2
FX3_D12: J2.21 R189.2
FX3_D13: J2.22 R125.2
FX3_D14: J2.25 R156.2
FX3_D15: J2.26 R243.2
FX3_D16: J2.27 R198.2
FX3_D17: J2.28 R244.2
FX3_D18: J2.31 R228.2
FX3_D19: J2.32 R227.2
FX3_D20: J2.33 R224.2
FX3_D21: J2.34 R217.2
FX3_D22: J2.35 R220.2
FX3_D23: J2.36 R216.2
FX3_D24: J2.37 R223.2
FX3_D25: J2.38 R218.2
FX3_D26: J2.39 R226.2
FX3_D27: J2.40 R219.2
FX3_D28: J2.41 R222.2
FX3_D29: J2.42 R221.2
FX3_D30: J2.43 R225.2
FX3_D31: J2.45 R240.2
FX3_FLAGA: J1.3 U1.G7
FX3_FLAGB: J1.4 U1.G6
FX3_FSLC0: R18.1 R27.2 U1.B2
FX3_FSLC1: R19.1 R28.2 U1.B4
FX3_FSLC2: R20.1 R29.2 U1.E6
FX3_GPO0: J1.11 U1.K6
FX3_GPO1: J1.13 U1.G5
FX3_GPO2: J1.12 U1.H6
FX3_GPO3: J1.14 U1.K5
FX3_I2C_SCL: R12.1 R77.1 R157.1 R177.2 R185.1 R233.1 R237.1 SCL.1 U1.D9 U2.6 U22.26 U24.A1 U25.A1 U26.A1
FX3_I2C_SDA: R13.1 R78.1 R158.1 R178.2 R186.1 R232.1 R236.1 SDA.1 U1.D10 U2.5 U22.25 U24.A2 U25.A2 U26.A2
FX3_INITB: J1.28 R16.2
FX3_PG_1V2: R46.2 R167.1 U4.14
FX3_PG_1V8: R53.2 R172.1 U5.14
FX3_PKTEND: J1.15 U1.H8
FX3_PMODE0: R21.1 R30.2 U1.G4
FX3_PMODE1: R22.1 R31.2 U1.H4
FX3_PMODE2: R23.1 R32.2 U1.L4
FX3_PRGB: J1.26 R24.2
FX3_RST: C3.1 R8.1 S1.2 S1.4 U1.C5
FX3_SLCS: J1.2 U1.K8
FX3_SLOE: J1.1 U1.J7
FX3_SLRD: J1.5 U1.H7
FX3_SLWR: J1.16 U1.K7
GLOBAL ENABLE: J1.44 R47.1 R63.1 R92.1 R109.1 R245.1 R246.2 R247.2
Green Power Good: J1.39 U31.4
HV DISABLE: J1.40 R123.1
HV FB: C200.1 C201.1 L2.2 Q2.3 R42.2 R200.1
HVGND: C22.2 C23.2 C24.2 C26.1 C30.2 C31.2 C32.2 C33.2 C34.2 C36.1 C37.1 C42.2 C70.2 C71.1 C72.2 C161.2 C177.2 C200.2 C201.2 C208.1 C214.1 C232.2 C233.1 C241.2 C244.2 D5.2 D6.1 L3.1 L29.1 L44.1 R37.1 R39.1 R40.1 R41.1 R44.2 R45.1 R126.2 U3.4 U3.5
HVM: C38.2 J1.79 J1.80 L43.2
HVP: C29.1 J2.79 J2.80 L42.2
I2C_1V8: C5.1 C123.2 L35.2 R12.2 R13.2 R177.1 R178.1 R185.2 R186.2 R232.2 R233.2 R236.2 R237.2 U2.8
INT#: R238.2 U22.23
NetC4_1: C4.1 U1.E10
NetC22_1: C22.1 C23.1 C24.1 L1.1 R33.2 R54.2 R71.2
NetC25_1: C25.1 D3.2 L3.2
NetC25_2: C25.2 C35.2 L1.2 Q1.5 Q1.6 Q1.7 Q1.8 Q1.9 R35.2
NetC26_2: C26.2 R33.1 U3.8
NetC27_1: C27.1 C177.1 U3.2
NetC27_2: C27.2 R40.2
NetC28_2: C28.2 R36.1
NetC30_1: C30.1 C31.1 C70.1 C232.1 D3.1 L2.1 R37.2
NetC32_1: C32.1 R38.1 U3.1
NetC33_1: C33.1 D18.1 R42.1 R45.2 U3.3
NetC34_1: C34.1 R35.1
NetC35_1: C35.1 D6.2 L4.2
NetC36_2: C36.2 C37.2 C71.2 C233.2 L4.1 L5.1 R44.1
NetC39_1: C39.1 U4.13
NetC39_2: C39.2 L6.1 U4.10 U4.11 U4.12
NetC41_1: C41.1 C43.1 C44.1 R46.1 R48.1 R49.1 U4.1 U4.2 U4.16
NetC42_1: C42.1 D5.1 R36.2 R39.2 R245.2 U3.7
NetC45_1: C45.1 U4.9
NetC46_1: C46.1 C47.1 C48.1 L6.2 L7.1 L8.1 L9.1 L10.1 R50.2
NetC50_1: C50.1 R52.2 U4.7
NetC51_1: C51.1 R52.1
NetC54_1: C54.1 U5.13
NetC54_2: C54.2 L17.1 U5.10 U5.11 U5.12
NetC56_1: C56.1 C57.1 C58.1 R53.1 R55.1 R56.1 U5.1 U5.2 U5.16
NetC59_1: C59.1 U6.13
NetC59_2: C59.2 L11.1 U6.10 U6.11 U6.12
NetC60_2: C60.2 D14.1 R119.1 U6.8
NetC61_1: C61.1 C67.1 C68.1 L11.2 L30.2 R74.2
NetC62_1: C62.1 C63.1 C64.1 R66.1 R69.1 R72.1 U6.1 U6.2 U6.16
NetC65_2: C65.2 D15.1 R132.1 U30.8
NetC66_1: C66.1 U6.9
NetC69_2: C69.2 D16.1 R100.1 U10.8
NetC72_1: C72.1 Q3.1 R201.2
NetC75_1: C75.1 R121.2 U6.7
NetC76_1: C76.1 R121.1
NetC77_1: C77.1 R68.2 U27.1
NetC78_1: C78.1 U27.2 U27.3
NetC79_1: C79.1 U30.13
NetC79_2: C79.2 L27.1 U30.10 U30.11 U30.12
NetC80_1: C80.1 U10.13
NetC80_2: C80.2 L13.1 U10.10 U10.11 U10.12
NetC81_1: C81.1 C82.1 C86.1 R91.1 R94.1 R96.1 U10.1 U10.2 U10.16
NetC83_1: C83.1 C84.1 C88.1 C89.1 C90.1 L13.2 R97.2 R99.2 U9.5 U9.6 U9.7 U9.8
NetC87_1: C87.1 U10.9
NetC94_1: C94.1 U5.9
NetC96_1: C96.1 C97.1 C98.1 L12.1 L17.2 L18.1 L23.1 L35.1 R57.2
NetC100_1: C100.1 R59.2 U5.7
NetC101_1: C101.1 R59.1
NetC102_1: C102.1 U11.13
NetC102_2: C102.2 L24.1 U11.10 U11.11 U11.12
NetC103_1: C103.1 C104.1 C105.1 R62.1 R64.1 R65.1 U11.1 U11.2 U11.16
NetC106_1: C106.1 U11.9
NetC107_1: C107.1 U9.15
NetC110_1: C110.1 C111.1 C113.1 C224.1 L24.2 R104.2 R113.2 U12.4
NetC114_1: C114.1 R107.2 U11.7
NetC116_1: C116.1 L19.2 U8.7
NetC116_2: C116.2 U8.13
NetC117_1: C117.1 C118.1 L19.1 R134.1 R135.2 U8.12
NetC119_1: C119.1 U8.10
NetC120_1: C120.1 C134.1 C137.1 C171.1 R136.1 R138.2 U8.8
